# Altium PCB motordriver-v5.1_willem.PcbDoc (part 4 of 6) (continued)
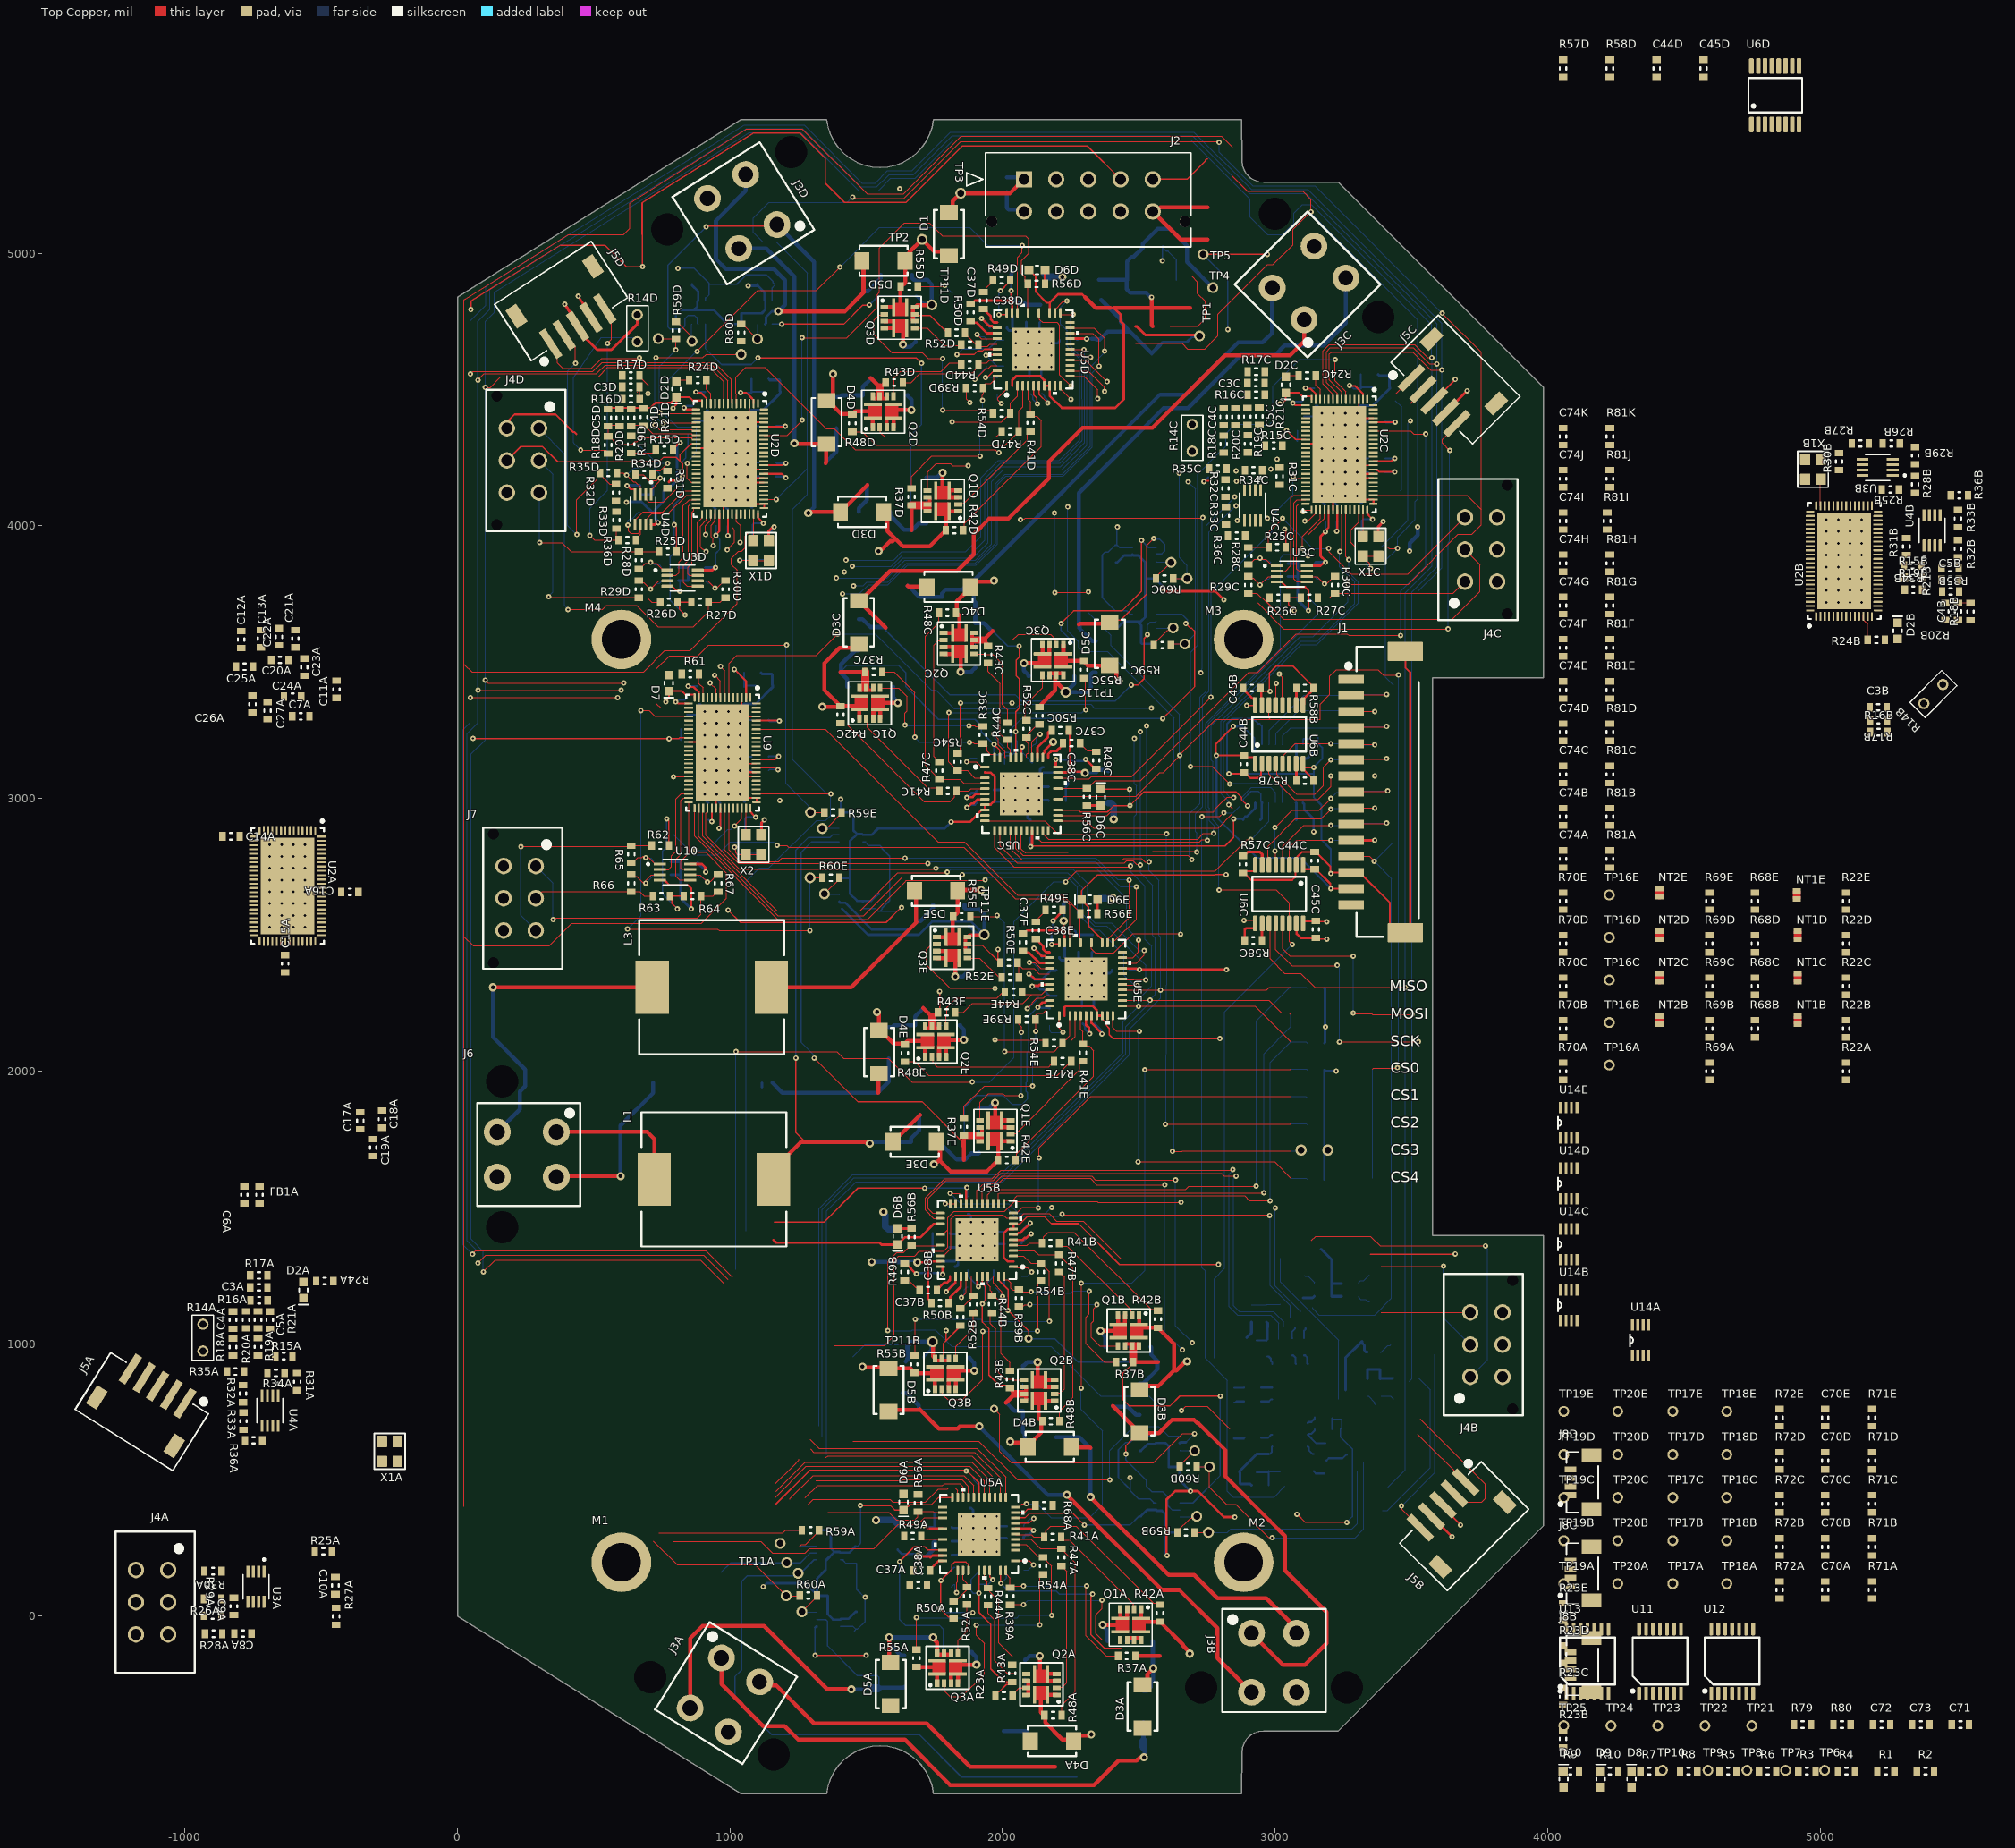
[diagram p0: Top Copper view]
## Nets (pads, with @x,y where several pads share a name; then routed paths per layer and width w, separated by ;. In a path a pad name is that pad's centre, name@x,y a point inside that pad or via, vN(x,y) a via of type N, cw(c..) or ccw(c..) an arc to the next point about the centre after c; other vN are vias at no path point) (continued)
HALL_TRIG1A: C8A.2 R28A.2 U3A.1
HALL_TRIG1B: C8B.2 R28B.2 U3B.1 | length 49.8
  Bottom Copper w3.5: 3307.09,1173.23 3307.09,1169.29 3313.9,1162.48 3332.24,1162.48 3341.17,1153.54 3346.46,1153.54
HALL_TRIG1C: C8C.2 R28C.2 U3C.1 | length 176.7
  Top Copper w3.5: R28C.2@2901.57,3858.27 2905.51,3858.27 2925.4,3878.15 2941.15,3878.15 v1(2944.88,3881.89) 2948.62,3878.15 2965.51,3878.15 2990.16,3853.5 U3C.1@3006.89,3853.5
  Bottom Copper w3.5: v1(2944.88,3881.89) 2950.17,3881.89 2959.1,3872.95 2977.44,3872.95 2984.25,3866.14 C8C.2@2984.25,3862.2
HALL_TRIG1D: C8D.2 R28D.2 U3D.1 | length 176.7
  Top Copper w3.5: R28D.2@665.35,3842.52 669.29,3842.52 689.18,3862.41 704.92,3862.41 v1(708.66,3866.14) 712.4,3862.41 729.29,3862.41 753.94,3837.76 U3D.1@770.67,3837.76
  Bottom Copper w3.5: v1(708.66,3866.14) 713.95,3866.14 722.88,3857.2 741.22,3857.2 748.03,3850.39 C8D.2@748.03,3846.46
HALL_TRIG1E: C54.2 R65.2 U10.1 | length 175.9
  Top Copper w3.5: R65.2@637.8,2763.78 641.73,2763.78 661.62,2783.67 677.37,2783.67 681.1,2787.4 681.8,2787.4 686.64,2782.56 v1(690.62,2782.56) ; U10.1@743.11,2759.02 726.38,2759.02 701.73,2783.67 ; 701.73,2783.67 690.62,2783.67 701.73,2783.67
  Bottom Copper w3.5: v1(690.62,2782.56) 692.05,2781.13 710.38,2781.13 719.7,2771.82 C54.2@719.7,2767.88
HALL_TRIG2A: C9A.2 R29A.2 U3A.3
HALL_TRIG2B: C9B.2 R29B.2 U3B.3 | length 54.5
  Bottom Copper w3.5: 3307.09,1220.47 3307.09,1224.11 3313.9,1230.92 3325.41,1230.92 3346.46,1251.97
HALL_TRIG2C: C9C.2 R29C.2 U3C.3 | length 185.6
  Top Copper w3.5: R29C.2@2901.57,3814.96 2908.39,3808.15 2920.2,3808.15 v1(2944.88,3783.46) 2975.55,3814.13 U3C.3@3006.89,3814.13
  Bottom Copper w3.5: v1(2944.88,3783.46) 2965.93,3804.51 2977.44,3804.51 2984.25,3811.32 C9C.2@2984.25,3814.96
HALL_TRIG2D: C9D.2 R29D.2 U3D.3 | length 185.6
  Top Copper w3.5: R29D.2@665.35,3799.21 672.17,3792.4 683.98,3792.4 v1(708.66,3767.72) 739.33,3798.39 U3D.3@770.67,3798.39
  Bottom Copper w3.5: v1(708.66,3767.72) 729.71,3788.76 741.22,3788.76 748.03,3795.57 C9D.2@748.03,3799.21
HALL_TRIG2E: C55.2 R66.2 U10.3 | length 225.7
  Top Copper w3.5: R66.2@637.8,2720.47 644.61,2713.66 656.42,2713.66 v1@681.1,2688.98 ; v1(690.62,2689.07) v1@685.9,2693.78 ; U10.3@743.11,2719.65 711.77,2719.65 ; v1@681.1,2688.98 v1@685.9,2693.78 ; v1@681.1,2688.98 v1@685.9,2693.78 ; v1@685.9,2693.78 711.77,2719.65 ; v1@685.9,2693.78 711.77,2719.65
  Bottom Copper w3.5: v1(690.62,2689.07) 692.27,2689.07 719.83,2716.63 C55.2@719.83,2720.56
HALL_TRIG3A: C10A.2 R30A.2 U3A.6
HALL_TRIG3B: C10B.2 R30B.2 U3B.6 | length 53
  Bottom Copper w3.5: 3106.3,1250.75 3110.04,1247.01 3122.17,1247.01 3144.54,1224.65 3144.54,1220.72
HALL_TRIG3C: C10C.2 R30C.2 U3C.6 | length 173.6
  Top Copper w3.5: U3C.6@3117.52,3814.13 3117.83,3813.82 3154.69,3813.82 v1(3181.1,3787.4) 3184.84,3791.14 3192.71,3791.14 3216.54,3814.96 R30C.2@3220.47,3814.96
  Bottom Copper w3.5: C10C.2@3145.67,3814.96 3145.67,3812.79 3152.48,3805.98 3162.53,3805.98 v1(3181.1,3787.4)
HALL_TRIG3D: C10D.2 R30D.2 U3D.6 | length 173.6
  Top Copper w3.5: U3D.6@881.3,3798.39 881.61,3798.07 918.46,3798.07 v1(944.88,3771.65) 948.62,3775.39 956.49,3775.39 980.31,3799.21 R30D.2@984.25,3799.21
  Bottom Copper w3.5: C10D.2@909.45,3799.21 909.45,3797.04 916.26,3790.23 926.31,3790.23 v1(944.88,3771.65)
HALL_TRIG3E: C56.2 R67.2 U10.6 | length 173.6
  Top Copper w3.5: U10.6@853.74,2719.65 854.05,2719.33 890.91,2719.33 v1(917.32,2692.91) 921.06,2696.65 928.93,2696.65 952.76,2720.47 R67.2@956.69,2720.47
  Bottom Copper w3.5: C56.2@881.89,2720.47 881.89,2718.3 888.7,2711.49 898.75,2711.49 v1(917.32,2692.91)
HALL_UX4: J7.3 R62.2 R65.1 | length 811.9
  Top Copper w3.5: v1(232.28,2822.83) 234.25,2824.8 635.83,2824.8 R65.1@637.8,2826.77 R62.2@712.6,2826.77
  Bottom Copper w3.5: v1(232.28,2822.83) 232.28,2570.87 J7.3@287.4,2515.75
HALL_UX_CTRL_E: U9.38 U10.7 | length 291.1
  Top Copper w3.5: U9.38@848.5,2986.18 848.5,2799.38 818.9,2769.77 818.9,2744.26 823,2740.16 852.91,2740.16 U10.7@853.74,2739.33
HALL_UX_CTRLA: U2A.38 U3A.7
HALL_UX_CTRLB: U2B.38 U3B.7
HALL_UX_CTRLC: U2C.38 U3C.7 | length 307.6
  Top Copper w3.5: U2C.38@3111.65,4080.67 3087.67,4080.67 3079.41,4072.41 3079.41,3842.02 3086.78,3834.65 3116.69,3834.65 U3C.7@3117.52,3833.82
HALL_UX_CTRLD: U2D.38 U3D.7 | length 294.9
  Top Copper w3.5: U2D.38@875.43,4064.92 868.36,4064.92 867.27,4063.83 867.27,4056.76 859.91,4049.4 859.91,3861.96 846.46,3848.51 846.46,3823 850.56,3818.9 880.47,3818.9 U3D.7@881.3,3818.07
HALL_UXA: J4A.3 R25A.2 R28A.1
HALL_UXB: J4B.3 R25B.2 R28B.1 | length 326.8
  Top Copper w3.5: 3389.76,1114.17 J4B.3@3716.54,1114.17
HALL_UXC: J4C.3 R25C.2 R28C.1 | length 1049.2
  Top Copper w3.5: R28C.1@2901.57,3921.26 R25C.2@2976.38,3921.26 2976.38,3976.38 v1(3027.56,4027.56) ; v1(3196.85,3917.32) 3198.53,3915.65 3198.53,3904.47 3280,3823 3488.35,3823 J4C.3@3696.85,4031.5
  Bottom Copper w3.5: v1(3027.56,4027.56) 3137.8,3917.32 v1(3196.85,3917.32)
HALL_UXD: J4D.3 R25D.2 R28D.1 | length 636.7
  Top Copper w3.5: v1(301.18,3938.98) 383.86,3938.98 417.32,3905.51 R28D.1@665.35,3905.51 R25D.2@740.16,3905.51
  Bottom Copper w3.5: J4D.3@299.21,4122.05 301.18,4120.08 v1(301.18,3938.98)
HALL_V4: J7.2 R63.2 R66.1 | length 445.4
  Top Copper w3.5: J7.2@287.4,2633.86 311.02,2657.48 R66.1@637.8,2657.48 669.29,2657.48 685.04,2641.73 R63.2@716.54,2641.73
HALL_V_CTLR_E: U9.37 U10.5 | length 376.6
  Top Copper w3.5: U9.37@848.5,3001.93 848.42,3001.85 828.64,3001.85 820.27,2993.48 820.27,2795.2 801.89,2776.81 801.89,2713.86 814.96,2700.79 852.91,2700.79 U10.5@853.74,2699.96
HALL_V_CTLRA: U2A.37 U3A.5
HALL_V_CTLRB: U2B.37 U3B.5
HALL_V_CTLRC: U2C.37 U3C.5 | length 380.1
  Top Copper w3.5: U2C.37@3112.28,4096.42 3112.2,4096.33 3081.33,4096.33 3069.29,4084.29 3069.29,3804.73 3078.74,3795.28 3116.69,3795.28 U3C.5@3117.52,3794.45
HALL_V_CTLRD: U2D.37 U3D.5 | length 376.5
  Top Copper w3.5: U2D.37@875.98,4080.59 856.2,4080.59 847.83,4072.22 847.83,3873.94 829.45,3855.55 829.45,3792.6 842.52,3779.53 880.47,3779.53 U3D.5@881.3,3778.7
HALL_VA: J4A.2 R26A.2 R29A.1
HALL_VB: J4B.2 R26B.2 R29B.1 | length 556.5
  Top Copper w3.5: 3389.76,1283.46 v1(3618.11,1283.46)
  Bottom Copper w3.5: v1(3618.11,1283.46) 3618.11,1094.49 J4B.2@3716.54,996.06
HALL_VC: J4C.2 R26C.2 R29C.1 | length 1339
  Top Copper w3.5: R29C.1@2901.57,3751.97 2905.51,3751.97 2933.07,3751.97 2948.82,3736.22 R26C.2@2980.31,3736.22 ; 2966.74,3722.65 3031.91,3657.48 ; J4C.2@3696.85,3913.39 3751.97,3858.27 3751.97,3759.84 3649.61,3657.48 3031.91,3657.48 ; 3031.91,3657.48 2953.17,3736.22 3031.91,3657.48
HALL_VD: J4D.2 R26D.2 R29D.1 | length 945.3
  Top Copper w3.5: v1(334.65,3740.16) 336.61,3738.19 663.39,3738.19 R29D.1@665.35,3736.22 696.85,3736.22 712.6,3720.47 R26D.2@744.09,3720.47
  Bottom Copper w3.5: J4D.2@299.21,4240.16 350.39,4188.98 350.39,3758.23 334.65,3742.48 v1(334.65,3740.16)
HALL_WY4: J7.1 R64.2 R67.1 | length 910.8
  Top Copper w3.5: v1(350.39,2555.12) 353.69,2555.12 360.67,2562.09 880.99,2562.09 893.7,2574.8 R64.2@893.7,2641.73 937.01,2641.73 952.76,2657.48 R67.1@956.69,2657.48
  Bottom Copper w3.5: J7.1@287.4,2751.97 350.39,2688.98 v1(350.39,2555.12)
HALL_WY_CTRL_E: U9.36 U10.2 | length 356.5
  Top Copper w3.5: U10.2@743.11,2739.33 774.76,2739.33 784.88,2749.45 784.88,2789.41 800.91,2805.43 800.91,2881.89 800.91,2997.32 821.26,3017.68 U9.36@848.5,3017.68
HALL_WY_CTRLA: U2A.36 U3A.2
HALL_WY_CTRLB: U2B.36 U3B.2
HALL_WY_CTRLC: U2C.36 U3C.2 | length 365.8
  Top Copper w3.5: U3C.2@3006.89,3833.82 3038.54,3833.82 3058.53,3853.8 3058.53,4101.53 3069.17,4112.17 U2C.36@3112.28,4112.17
HALL_WY_CTRLD: U2D.36 U3D.2 | length 355.1
  Top Copper w3.5: U3D.2@770.67,3818.07 802.32,3818.07 812.44,3828.19 812.44,3868.15 828.46,3884.17 828.46,3960.63 828.46,4073.66 851.22,4096.42 U2D.36@876.06,4096.42
HALL_WYA: J4A.1 R27A.2 R30A.1
HALL_WYB: J4B.1 R27B.2 R30B.1 | length 1168.7
  Top Copper w3.5: 3133.86,1377.95 3149.61,1393.7 3350.39,1393.7 3385.83,1358.27 v1(3771.65,1358.27)
  Bottom Copper w3.5: J4B.1@3716.54,877.95 3779.53,940.95 3779.53,1345.11 3771.65,1352.98 v1(3771.65,1358.27)
HALL_WYC: J4C.1 R27C.2 R30C.1 | length 563.8
  Top Copper w3.5: R27C.2@3157.48,3736.22 3200.79,3736.22 3216.54,3751.97 R30C.1@3220.47,3751.97 3653.54,3751.97 J4C.1@3696.85,3795.28
HALL_WYD: J4D.1 R27D.2 R30D.1 | length 1392
  Top Copper w3.5: v1(405.51,3692.91) 532.17,3692.91 547.92,3708.66 641.73,3708.66 657.48,3708.66 665.35,3700.79 736.22,3629.92 866.14,3629.92 921.26,3685.04 R27D.2@921.26,3720.47 964.57,3720.47 980.31,3736.22 R30D.1@984.25,3736.22
  Bottom Copper w3.5: J4D.1@299.21,4358.27 393.7,4263.78 393.7,3708.54 405.51,3696.72 v1(405.51,3692.91)
HSG1A: Q1A.7 R39A.1 | length 575.4
  Top Copper w3.5: R39A.1@2028,42 v1(2077,42) ; v1(2364.89,58.17) 2364.89,27.6 2342,4.71 2342,-64.61 2365.07,-87.68 Q1A.7@2432,-87.68
  Bottom Copper w3.5: v1(2077,42) 2092.85,57.85 2364.56,57.85 v1(2364.89,58.17)
HSG1B: Q1B.7 R39B.1 | length 519.7
  Top Copper w3.5: R39B.1@2071.49,1133.43 2080.86,1142.8 2099.84,1142.8 v1(2100.7,1143.67) ; v1(2346.14,1142.67) 2346.14,1139.74 2333.58,1127.17 2333.58,1082.9 2325.7,1075.03 2325.7,1022.55 2357.2,991.06 Q1B.7@2424.13,991.06
  Bottom Copper w3.5: v1(2100.7,1143.67) 2101.13,1144.1 2231.22,1144.1 2344.71,1144.1 v1(2346.14,1142.67)
HSG1C: Q1C.7 R39C.1 | length 543.3
  Top Copper w3.5: Q1C.7@1551.18,3405.51 1618.11,3405.51 1649.61,3374.02 1649.61,3321.54 1641.73,3313.67 1641.73,3269.48 v1(1642.21,3269.01) ; v1(1876.41,3266.66) 1898.18,3266.66 1901.7,3263.14 ; 1901.7,3263.14 1932.43,3263.14 1901.7,3263.14
  Bottom Copper w3.5: v1(1642.21,3269.01) 1644.56,3266.66 v1(1876.41,3266.66)
HSG1D: Q1D.7 R39D.1 | length 577.1
  Top Copper w3.5: Q1D.7@1725,4129.92 1725,4196.85 1756.5,4228.35 1808.97,4228.35 1816.85,4220.47 v1(1874.61,4220.47) ; v1(1879.83,4452.51) 1867.38,4464.96 ; 1867.38,4464.96 1867.38,4511.17 1867.38,4464.96
  Bottom Copper w3.5: v1(1874.61,4220.47) 1878.04,4223.91 1878.04,4322.83 1878.04,4450.72 v1(1879.83,4452.51)
HSG1E: Q1E.7 R39E.1 | length 558.9
  Top Copper w3.5: Q1E.7@1917.32,1818.9 1917.32,1885.83 1948.82,1917.32 2001.29,1917.32 2009.17,1909.45 v1(2066.93,1909.45) ; R39E.1@2059.05,2200.79 R39E.1@2059.7,2200.15 ; v1(2069.91,2141.55) 2069.85,2141.61 2069.85,2161.39 2059.7,2171.54 ; 2059.7,2171.54 R39E.1@2059.7,2200.15 ; 2059.7,2171.54 R39E.1@2059.7,2200.15
  Bottom Copper w3.5: v1(2066.93,1909.45) 2070.37,1912.89 2070.37,2011.81 2070.37,2141.09 v1(2069.91,2141.55)
HSG2A: Q2A.7 R44A.1 | length 348.9
  Top Copper w3.5: R44A.1@1947,40.01 1947,10.28 1972,-14.72 1972,-163.66 2018.07,-209.73 2046.28,-209.73 2048.84,-212.29 Q2A.7@2086.73,-212.29
HSG2B: Q2B.7 R44B.1 | length 400.6
  Top Copper w3.5: Q2B.7@2078.85,866.45 2040.96,866.45 2038.41,869.01 2010.2,869.01 1975.49,903.72 1975.49,1052.65 1955.62,1072.52 ; 1955.62,1072.52 1955.62,1124.92 1955.62,1072.52
HSG2C: Q2C.7 R44C.1 | length 400.6
  Top Copper w3.5: Q2C.7@1896.46,3530.12 1934.35,3530.12 1936.9,3527.56 1965.11,3527.56 1999.82,3492.86 1999.82,3343.92 2019.69,3324.05 ; 2019.69,3324.05 2019.69,3271.66 2019.69,3324.05
HSG2D: Q2D.7 R44D.1 | length 340.7
  Top Copper w3.5: Q2D.7@1600.39,4475.19 1600.39,4513.09 1602.95,4515.64 1602.95,4543.85 1625.79,4566.69 1774.73,4566.69 1806.46,4598.43 1840.39,4598.43 R44D.1@1848.15,4590.67
HSG2E: Q2E.7 R44E.1 | length 332
  Top Copper w3.5: Q2E.7@1792.72,2164.17 1792.72,2202.06 1795.27,2204.62 1795.27,2232.83 1829.98,2267.53 1978.91,2267.53 R44E.1@1998.79,2287.4 ; R44E.1@2017.92,2291.07 R44E.1@2014.26,2287.4 ; R44E.1@1998.79,2287.4 R44E.1@2014.26,2287.4 ; R44E.1@1998.79,2287.4 R44E.1@2014.26,2287.4
HSG3A: Q3A.7 R52A.1 | length 190
  Top Copper w3.5: Q3A.7@1836.53,-133.75 1836.53,-88.67 1870.06,-55.14 R52A.1@1870.06,42.33
HSG3B: Q3B.7 R52B.1 | length 276.6
  Top Copper w3.5: Q3B.7@1828.66,944.99 1828.66,990.07 1892.2,1053.62 ; 1904.44,1124.92 1900.51,1124.92 R52B.1@1892.2,1116.61 ; 1892.2,1053.62 R52B.1@1892.2,1116.61 ; 1892.2,1053.62 R52B.1@1892.2,1116.61
HSG3C: Q3C.7 R52C.1 | length 260.9
  Top Copper w3.5: Q3C.7@2146.65,3451.58 2146.65,3406.5 2083.11,3342.95 ; 2083.11,3342.95 2083.11,3279.96 2083.11,3342.95
HSG3D: Q3D.7 R52D.1 | length 276.6
  Top Copper w3.5: Q3D.7@1678.94,4725.39 1724.02,4725.39 1787.56,4661.85 ; R52D.1@1858.86,4649.61 1858.86,4653.54 R52D.1@1850.55,4661.85 ; 1787.56,4661.85 R52D.1@1850.55,4661.85 ; 1787.56,4661.85 R52D.1@1850.55,4661.85
HSG3E: Q3E.7 R52E.1 | length 145.4
  Top Copper w3.5: Q3E.7@1871.26,2414.37 1916.34,2414.37 R52E.1@1987.3,2343.41
HSUA: R37A.2 R39A.2 U5A.37 | length 686.1
  Top Copper w3.5: U5A.37@2012.49,155.66 2028,140.15 R39A.2@2028,104 2034,110 v1(2077,110) ; U5A.37@2012.49,167.47 2012.49,155.67 U5A.37@2012.91,155.24 ; v1(2308.05,110.87) 2306.02,108.84 2306.02,-71.93 2380.82,-146.74 R37A.2@2424.13,-146.74
  Bottom Copper w3.5: v1(2077,110) 2077.44,110.44 2307.61,110.44 v1(2308.05,110.87)
HSUB: R37B.2 R39B.2 U5B.37 | length 729.6
  Top Copper w3.5: U5B.37@2004.62,1246.22 2004.62,1234.41 2005.04,1233.98 2019.79,1233.98 2030.99,1222.78 2030.99,1203.09 2038.3,1195.78 ; v1(2105.35,1190.14) 2104.15,1188.94 2076.14,1188.94 R39B.2@2069.3,1195.78 ; v1(2318.02,1192.23) 2318.02,1109.01 2305.63,1096.62 2305.63,999.32 2372.95,932 R37B.2@2416.25,932 ; 2038.3,1195.78 2042.24,1195.78 R39B.2@2069.3,1195.78 ; 2038.3,1195.78 R39B.2@2069.3,1195.78
  Bottom Copper w3.5: v1(2105.35,1190.14) 2188.38,1190.14 2194.55,1183.97 2250.17,1183.97 2258.43,1192.23 v1(2318.02,1192.23)
HSUC: R37C.2 R39C.2 U5C.37 | length 697
  Top Copper w3.5: R37C.2@1559.06,3464.57 1602.36,3464.57 1677.81,3389.12 v1(1677.81,3224.87) ; v1(1878.17,3206.04) 1878.9,3205.32 1891.97,3205.32 1896.5,3200.79 ; U5C.37@1970.69,3150.36 1970.69,3162.17 1970.27,3162.59 1955.52,3162.59 1944.32,3173.79 1944.32,3193.48 R39C.2@1937.01,3200.79 ; 1896.5,3200.79 R39C.2@1937.01,3200.79 ; 1896.5,3200.79 R39C.2@1937.01,3200.79
  Bottom Copper w3.5: v1(1677.81,3224.87) 1696.64,3206.04 v1(1878.17,3206.04)
HSUD: R37D.2 R39D.2 U5D.37 | length 696.2
  Top Copper w3.5: R37D.2@1665.95,4137.79 1665.95,4181.1 1740.75,4255.91 v1(1917.91,4255.91) ; v1(1926.97,4460.65) 1925.04,4462.57 1925.04,4480.49 1929.72,4485.17 ; U5D.37@1980.16,4549.43 1968.35,4549.43 1967.93,4549.01 1967.93,4534.26 1956.72,4523.06 1937.04,4523.06 R39D.2@1929.72,4515.75 ; 1929.72,4485.17 1929.72,4511.81 R39D.2@1929.72,4515.75 ; 1929.72,4485.17 R39D.2@1929.72,4515.75
  Bottom Copper w3.5: v1(1917.91,4255.91) 1917.91,4322.83 1917.91,4359.5 1926.97,4368.55 v1(1926.97,4460.65)
HSUE: R37E.2 R39E.2 U5E.37 | length 719.1
  Top Copper w3.5: R37E.2@1858.27,1826.77 1858.27,1870.08 1933.07,1944.88 v1(2110.24,1944.88) ; R39E.2@2122.05,2200.79 2122.05,2204.73 2129.36,2212.04 2149.04,2212.04 2160.25,2223.24 2160.25,2237.99 2160.67,2238.41 U5E.37@2172.48,2238.41 ; v1(2122.02,2145.72) 2122.02,2200.76 v1(2122.02,2145.72)
  Bottom Copper w3.5: v1(2110.24,1944.88) 2110.24,2011.81 2110.24,2048.48 2122.02,2060.26 v1(2122.02,2145.72)
HSVA: R43A.2 R44A.2 U5A.34 | length 386
  Top Copper w3.5: U5A.34@1933.75,167.47 1933.75,135.23 1943.46,125.52 1943.46,112.79 1947.41,108.84 R44A.2@1947.41,105.48 ; R44A.2@1947,103 1954.01,95.99 1954.01,87.99 1986,56 1986,-98.37 2035.74,-148.12 R43A.2@2035.74,-178.63
HSVB: R43B.2 R44B.2 U5B.34 | length 398.4
  Top Copper w3.5: 1945.72,1246.06 1945.72,1217.84 1955.61,1207.95 1955.61,1195.22 1959.56,1191.27 1959.56,1187.91 ; R43B.2@2027.87,900.11 2027.87,930.62 1994.99,963.5 1994.99,1149.3 1972.59,1171.71 R44B.2@1972.59,1174.88 ; 1959.56,1187.91 R44B.2@1972.59,1174.88 ; 1959.56,1187.91 1966.63,1180.84 R44B.2@1972.59,1174.88
HSVC: R43C.2 R44C.2 U5C.34 | length 379.9
  Top Copper w3.5: R43C.2@1947.44,3496.46 1947.44,3465.95 1991.32,3422.07 1991.32,3233.09 1994.71,3233.09 2012.75,3215.05 R44C.2@2016.69,3215.05 ; 2029.59,3150.51 2029.59,3178.73 2019.7,3188.62 2019.7,3205.74 R44C.2@2016.78,3208.66 ; R44C.2@2016.78,3208.66 2015.75,3208.66 R44C.2@2016.78,3208.66
HSVD: R43D.2 R44D.2 U5D.34 | length 418.1
  Top Copper w3.5: R43D.2@1634.05,4526.18 1664.57,4526.18 1696.58,4558.19 1791.07,4558.19 1794.56,4561.68 1889.04,4561.68 ; R44D.2@1911.14,4590.67 1918.91,4598.44 1941.89,4598.44 1951.78,4608.33 1980,4608.33 ; 1889.04,4561.68 1914.58,4587.22 1889.04,4561.68
HSVE: R43E.2 R44E.2 U5E.34 | length 419.6
  Top Copper w3.5: R43E.2@1826.38,2215.16 1856.89,2215.16 1889.76,2248.03 2074.74,2248.03 2107.66,2280.96 ; R44E.2@2071.64,2289.61 2080.29,2280.96 2107.66,2280.96 ; 2172.32,2297.31 2160.51,2297.31 2144.17,2280.96 2107.66,2280.96
HSWA: R50A.2 R52A.2 U5A.31 | length 142.9
  Top Copper w3.5: R50A.2@1821.75,53.08 1825.69,53.08 1833.56,60.95 1870.06,97.45 R52A.2@1870.06,105.32 1869.17,106.21 1869.17,120.33 1855.01,134.49 U5A.31@1855.01,167.47
HSWB: R50B.2 R52B.2 U5B.31 | length 152.5
  Top Copper w3.5: R50B.2@1845.39,1128.85 1849.33,1128.85 1857.2,1136.73 R52B.2@1893.7,1173.22 ; 1886.51,1246.22 1886.77,1245.95 R52B.2@1886.77,1180.15 ; R52B.2@1886.77,1180.15 R52B.2@1893.7,1173.22 ; R52B.2@1886.77,1180.15 R52B.2@1893.7,1173.22
HSWC: R50C.2 R52C.2 U5C.31 | length 202.5
  Top Copper w3.5: 2088.8,3150.36 2088.8,3162.17 2091.22,3164.59 2093.89,3164.59 2096.82,3167.52 2096.82,3200.27 2081.61,3215.47 R52C.2@2081.61,3223.35 ; R50C.2@2129.92,3267.72 2125.98,3267.72 2118.11,3259.84 ; R52C.2@2081.61,3223.35 2118.11,3259.84 ; R52C.2@2081.61,3223.35 2084.92,3226.66 2118.11,3259.84
HSWD: R50D.2 R52D.2 U5D.31 | length 203.8
  Top Copper w3.5: R50D.2@1862.8,4708.66 1862.8,4704.72 R50D.2@1870.67,4696.85 ; 1980.16,4667.54 1979.89,4667.28 1953.47,4667.28 1944.55,4658.36 1917.04,4658.36 R52D.2@1915.04,4660.35 ; R50D.2@1870.67,4696.85 R52D.2@1907.17,4660.35 ; R50D.2@1870.67,4696.85 1906.92,4660.6 R52D.2@1907.17,4660.35 ; R52D.2@1907.17,4660.35 R52D.2@1915.04,4660.35 ; R52D.2@1907.17,4660.35 R52D.2@1915.04,4660.35
HSWE: R50E.2 R52E.2 U5E.31 | length 177.6
  Top Copper w3.5: R50E.2@2055.12,2393.7 R50E.2@2062.99,2385.83 ; R52E.2@2059.98,2343.41 2059.98,2384.39 2061.42,2385.83 R50E.2@2062.99,2385.83 ; 2172.48,2356.52 2172.21,2356.26 2134.65,2356.26 2115.28,2375.63 2073.19,2375.63 R50E.2@2062.99,2385.83
IN3D: U6D.5
IN4B: U6B.11
IN4C: U6C.11
IN4D: U6D.11
JETSON_3V3: C44A.2 C44B.2 C44C.2 C44D.2 J1.14 J1.15 U6A.1 U6B.1 U6C.1 U6D.1 | length 1512.5
  Top Copper w7: v1(2846.46,3263.78) 2783.46,3200.79 2783.46,3159.3 v1(2785.14,3157.63) 2885.68,3157.63 2891.81,3151.5 2923.5,3151.5 2927.36,3147.64 U6B.1@2927.36,3127.95 ; U6C.1@3102.74,2756.18 3102.74,2744.02 3106.59,2740.16 C44C.2@3145.67,2740.16 3149.61,2740.16 3202.87,2686.89 3202.87,2671.15 v1(3204.72,2669.29) 3204.84,2669.17 3279.21,2669.17 J1.14@3279.33,2669.05 J1.14@3310.83,2669.05
  Bottom Copper w7: v1(2785.14,3157.63) 2785.55,3157.21 2785.55,2930.98 2934.29,2782.24 3091.77,2782.24 v1(3204.72,2669.29) ; v1(2846.46,3263.78) C44A.2@2882.18,3263.78 ; U6A.1@2923.5,3179.7 2927.36,3183.56 U6A.1@2927.36,3198.82 2923.5,3202.68 U6A.1@2923.5,3222.46 ; C44A.2@2882.18,3263.78 U6A.1@2923.5,3222.46 ; C44A.2@2882.18,3263.78 U6A.1@2923.5,3222.46
JETSON_GND: C44A.1 C44B.1 C44C.1 C44D.1 C74A.1 C74B.1 C74D.1 C74E.1 C74F.1 C74G.1 C74H.1 C74I.1 C74J.1 C74K.1 J1.13 R57A.2 R57B.2 R57C.2 R57D.2 U6A.2 U6A.8 U6B.2 U6B.8 U6C.2 U6C.8 U6D.2 U6D.8 | length 3798.2
  Top Copper w7: v1(2830.71,3090.55) 2881.89,3090.55 C44B.1@2885.83,3094.49 2889.76,3094.49 2909.24,3075.01 2937.21,3075.01 2948.5,3086.3 2948.5,3124.09 U6B.2@2952.36,3127.95 ; U6C.8@2927.74,2756.18 2927.74,2736.5 2923.88,2732.64 2888.25,2732.64 R57C.2@2882.26,2726.65 2886.2,2726.65 2912.07,2700.79 3062.99,2700.79 3074.84,2712.64 3074.84,2753.29 U6C.2@3077.74,2756.18 3081.59,2760.04 3081.59,2786.82 3097.93,2803.15 C44C.1@3143.74,2803.15 ; U6B.8@3102.36,3127.95 3102.36,3119.46 U6B.8@3106.22,3115.6 ; R57B.2@3141.36,3065.24 3141.36,3069.17 3106.22,3104.31 U6B.8@3106.22,3115.6 ; v1(3141.73,3114.17) 3107.65,3114.17 U6B.8@3106.22,3115.6 ; 3478.15,3539.13 3478.15,3480.08 3496.06,3462.16 3496.06,2533.43 ; C44C.1@3143.74,2803.15 C44C.1@3144.71,2804.12 ; C44C.1@3143.74,2803.15 C44C.1@3146.67,2806.08 ; C44C.1@3143.74,2803.15 C44C.1@3144.71,2804.12 ; C44C.1@3143.74,2803.15 3144.71,2804.11 C44C.1@3146.67,2806.08 ; C44C.1@3144.71,2804.12 C44C.1@3146.67,2806.08 ; C44C.1@3146.67,2806.08 3203.5,2749.25 ; C44C.1@3146.67,2806.08 3203.5,2749.25 ; C44C.1@3146.67,2806.08 3147.64,2805.12 3203.5,2749.25 ; 3203.5,2749.25 3203.5,2725.63 v1(3204.72,2724.41) 3208.42,2728.11 J1.13@3279.33,2728.11 3310.83,2728.11 3421.73,2617.2 3421.73,2538.07 3452.16,2507.64 3478.15,2507.64 3500,2529.49 ; 3496.06,2533.43 3500,2529.49 ; 3496.06,2533.43 3500,2529.49
  Bottom Copper w7: U6A.2@2952.36,3198.82 2951.86,3199.32 2951.86,3261.03 C44A.1@2951.36,3261.54 2951.36,3265.47 2943.05,3273.78 2939.11,3273.78 2920.89,3292 2841.96,3292 2823.89,3273.94 2823.89,3100.8 2830.71,3093.98 v1(2830.71,3090.55) 3141.73,3090.55 ; U6A.8@3102.36,3198.82 3102.36,3214.69 3106.22,3218.54 3126.22,3218.54 3139.96,3232.28 R57A.2@3143.9,3232.28 3147.83,3232.28 3156.15,3223.97 3156.15,3203.69 3173.23,3186.61 3173.23,3145.67 v1(3141.73,3114.17) 3141.73,3090.55 ; v1(3204.72,2724.41) 3204.72,2813.45 3170.05,2848.12 3170.05,2975.62 3141.73,3003.94 3141.73,3090.55
LED: D7.1 R61.1 | length 48.9
  Top Copper w3.5: D7.1@775.59,3452.76 779.53,3456.69 R61.1@822.83,3456.69
LEDA: D2A.1 R24A.1
LEDB: D2B.1 R24B.1 | length 48.9
  Top Copper w3.5: R24B.1@5237.72,3581.63 5281.03,3581.63 D2B.1@5284.97,3585.57
LEDC: D2C.1 R24C.1 | length 48.9
  Top Copper w3.5: D2C.1@3039.37,4547.24 3043.31,4551.18 R24C.1@3086.61,4551.18
LEDD: D2D.1 R24D.1 | length 48.9
  Top Copper w3.5: D2D.1@803.15,4531.5 807.09,4535.43 R24D.1@850.39,4535.43
LSG1A: Q1A.2 R41A.1 | length 389.6
  Top Copper w3.5: R41A.1@2215.47,290.27 2215.47,286.33 2222.78,279.02 2245.64,279.02 2479.86,44.8 2479.86,28.24 Q1A.2@2483.18,24.92
LSG1B: Q1B.2 R41B.1 | length 389.6
  Top Copper w3.5: R41B.1@2207.59,1369.01 2207.59,1365.07 2214.91,1357.76 2237.76,1357.76 2471.99,1123.54 2471.99,1106.98 Q1B.2@2475.31,1103.66
LSG1C: Q1C.2 R41C.1 | length 397
  Top Copper w3.5: Q1C.2@1500,3292.91 1503.32,3289.59 1503.32,3260.46 1724.97,3038.81 1760.4,3038.81 1767.72,3031.5 R41C.1@1767.72,3027.56
LSG1D: Q1D.2 R41D.1 | length 389.6
  Top Copper w3.5: Q1D.2@1837.6,4078.74 1840.92,4082.06 1857.48,4082.06 2091.7,4316.29 2091.7,4339.14 2099.01,4346.46 R41D.1@2102.95,4346.46
LSG1E: Q1E.2 R41E.1 | length 389.6
  Top Copper w3.5: Q1E.2@2029.92,1767.72 2033.24,1771.04 2049.8,1771.04 2284.03,2005.27 2284.03,2028.12 2291.34,2035.43 R41E.1@2295.27,2035.43
LSG2A: Q2A.2 R47A.1 | length 482.9
  Top Copper w3.5: Q2A.2@2199.33,-263.47 2202.15,-260.65 2219.41,-260.65 2235.15,-244.91 2235.15,164.29 2226.21,173.22 2226.21,177.16 2219.4,183.97 R47A.1@2215.47,183.97
LSG2B: Q2B.2 R47B.1 | length 482.9
  Top Copper w3.5: Q2B.2@2191.45,815.27 2194.28,818.09 2211.54,818.09 2227.28,833.83 2227.28,1243.03 2218.34,1251.96 2218.34,1255.9 2211.53,1262.71 R47B.1@2207.59,1262.71
LSG2C: Q2C.2 R47C.1 | length 482.9
  Top Copper w3.5: R47C.1@1767.72,3133.86 1763.78,3133.86 1756.97,3140.67 1756.97,3144.61 1748.03,3153.55 1748.03,3562.74 1763.77,3578.48 1781.03,3578.48 Q2C.2@1783.86,3581.3
LSG2D: Q2D.2 R47D.1 | length 482.9
  Top Copper w3.5: Q2D.2@1549.21,4362.6 1552.04,4359.77 1552.04,4342.51 1567.77,4326.77 1976.97,4326.77 1985.91,4335.71 1989.84,4335.71 1996.65,4342.52 R47D.1@1996.65,4346.46
LSG2E: Q2E.2 R47E.1 | length 482.9
  Top Copper w3.5: Q2E.2@1741.53,2051.57 1744.36,2048.75 1744.36,2031.49 1760.1,2015.75 2169.29,2015.75 2178.23,2024.69 2182.17,2024.69 2188.98,2031.5 R47E.1@2188.98,2035.43
LSG3A: Q3A.2 R54A.1 | length 834.9
  Top Copper w3.5: Q3A.2@1785.35,-246.34 1788.17,-249.16 1788.17,-276.36 1807.09,-295.28 1850.39,-295.28 1933,-212.67 1933,-100 1904,-71 v1(1904,-33) ; v1(2136.73,-32.56) 2137.79,-31.5 2137.79,145.67 2144.6,152.48 R54A.1@2148.54,152.47
  Bottom Copper w3.5: v1(1904,-33) 1904.22,-32.78 2136.51,-32.78 v1(2136.73,-32.56)
LSG3B: Q3B.2 R54B.1 | length 777.2
  Top Copper w3.5: Q3B.2@1777.47,832.4 1780.3,829.58 1780.3,812.31 1798.4,794.21 1853.26,794.21 1927.51,868.46 v1(1927.51,1044.83) ; v1(2128.85,1046.18) 2129.91,1047.24 2129.91,1224.41 2136.73,1231.22 R54B.1@2140.66,1231.22
  Bottom Copper w3.5: v1(1927.51,1044.83) 1928.19,1045.5 2128.18,1045.5 v1(2128.85,1046.18)
LSG3C: Q3C.2 R54C.1 | length 808.3
  Top Copper w3.5: R54C.1@1834.65,3165.36 1838.58,3165.36 1845.4,3172.17 1845.4,3349.33 v1(1846.46,3350.4) ; v1(2035.43,3350.4) 2035.43,3579.83 2057.97,3602.36 2176.91,3602.36 2195.01,3584.26 2195.01,3567 Q3C.2@2197.84,3564.17
  Bottom Copper w3.5: v1(1846.46,3350.4) v1(2035.43,3350.4)
LSG3D: Q3D.2 R54D.1 | length 770.8
  Top Copper w3.5: Q3D.2@1566.34,4776.57 1563.52,4773.75 1546.25,4773.75 1528.15,4755.65 1528.15,4700.79 1593.3,4635.64 1705.66,4635.64 1727.13,4614.17 v1(1780.12,4614.17) ; v1(1780.12,4425.2) 1781.18,4424.14 1958.35,4424.14 1965.16,4417.32 R54D.1@1965.16,4413.38
  Bottom Copper w3.5: v1(1780.12,4425.2) v1(1780.12,4614.17)
LSG3E: Q3E.2 R54E.1 | length 770.8
  Top Copper w3.5: Q3E.2@1758.66,2465.55 1755.84,2462.73 1738.57,2462.73 1720.47,2444.63 1720.47,2389.77 1807.09,2303.15 v1(1972.44,2303.15) ; v1(1972.44,2114.18) 1973.5,2113.11 2150.67,2113.11 2157.48,2106.3 R54E.1@2157.48,2102.36
  Bottom Copper w3.5: v1(1972.44,2114.18) v1(1972.44,2303.15)
LSUA: R41A.2 R42A.2 U5A.5 | length 677.6
  Top Copper w3.5: U5A.5@2047.92,298.08 2105.92,298.08 2113.73,290.27 R41A.2@2152.47,290.27 2158.99,296.78 2158.99,312.53 2176.1,329.64 2270.59,329.64 2553.44,46.78 2573.13,46.78 R42A.2@2577.67,42.24
LSUB: R41B.2 R42B.2 U5B.5 | length 677.9
  Top Copper w3.5: 2040.05,1360.39 2090.26,1360.39 2098.89,1369.01 R41B.2@2144.6,1369.01 2151.11,1375.52 2151.11,1391.27 2168.22,1408.38 2231.22,1408.38 2262.71,1408.38 2545.57,1125.52 2565.25,1125.52 R42B.2@2569.8,1120.98
LSUC: R41C.2 R42C.2 U5C.5 | length 677.9
  Top Copper w3.5: R42C.2@1405.51,3275.59 1410.06,3271.05 1429.74,3271.05 1712.6,2988.19 1744.09,2988.19 1807.09,2988.19 1824.2,3005.3 1824.2,3021.05 R41C.2@1830.71,3027.56 1876.42,3027.56 1885.05,3036.18 1935.26,3036.18
LSUD: R41D.2 R42D.2 U5D.5 | length 677.9
  Top Copper w3.5: R42D.2@1854.92,3984.25 1859.47,3988.8 1859.47,4008.48 2142.32,4291.34 2142.32,4322.83 2142.32,4385.83 2125.21,4402.94 2109.46,4402.94 R41D.2@2102.95,4409.45 2102.95,4455.16 2094.33,4463.79 2094.33,4514
LSUE: R41E.2 R42E.2 U5E.5 | length 677.9
  Top Copper w3.5: R42E.2@2047.24,1673.23 2051.79,1677.77 2051.79,1697.46 2334.65,1980.32 2334.65,2011.81 2334.65,2074.8 2317.54,2091.91 2301.79,2091.91 R41E.2@2295.27,2098.43 2295.27,2144.14 2286.65,2152.76 2286.65,2202.98
LSVA: R47A.2 R48A.2 U5A.4 | length 836.7
  Top Copper w3.5: U5A.4@2047.92,281.65 2104.79,281.65 2139.48,246.96 2219.4,246.96 2226.21,240.15 2226.21,236.22 2266.65,195.78 2266.65,-276.66 2216.85,-326.46 R48A.2@2216.85,-363.67
LSVB: R47B.2 R48B.2 U5B.4 | length 828.5
  Top Copper w3.5: 2040.05,1340.7 2116.6,1340.7 2131.6,1325.7 R47B.2@2207.59,1325.7 2211.53,1325.7 2218.34,1318.89 2218.34,1314.96 2258.77,1274.52 2258.77,802.08 2208.97,752.28 R48B.2@2208.97,715.07
LSVC: R47C.2 R48C.2 U5C.4 | length 828.5
  Top Copper w3.5: R48C.2@1766.34,3681.5 1766.34,3644.29 1716.54,3594.49 1716.54,3122.05 1756.97,3081.62 1756.97,3077.68 1763.78,3070.87 R47C.2@1767.72,3070.87 1843.71,3070.87 1858.71,3055.87 1935.26,3055.87